# Altium PCB GiroScope.PcbDoc (part 4 of 4)
Units mm, origin at the board's own origin, x right, y up, seen from the top; angles counter-clockwise.
Board outline 185 x 124.5 mm, 2 copper layers (Top Layer, Bottom Layer); 299 components, 122 nets, 3024 pads, 61 vias.
Unrouted connection lines stored in the file: 4.
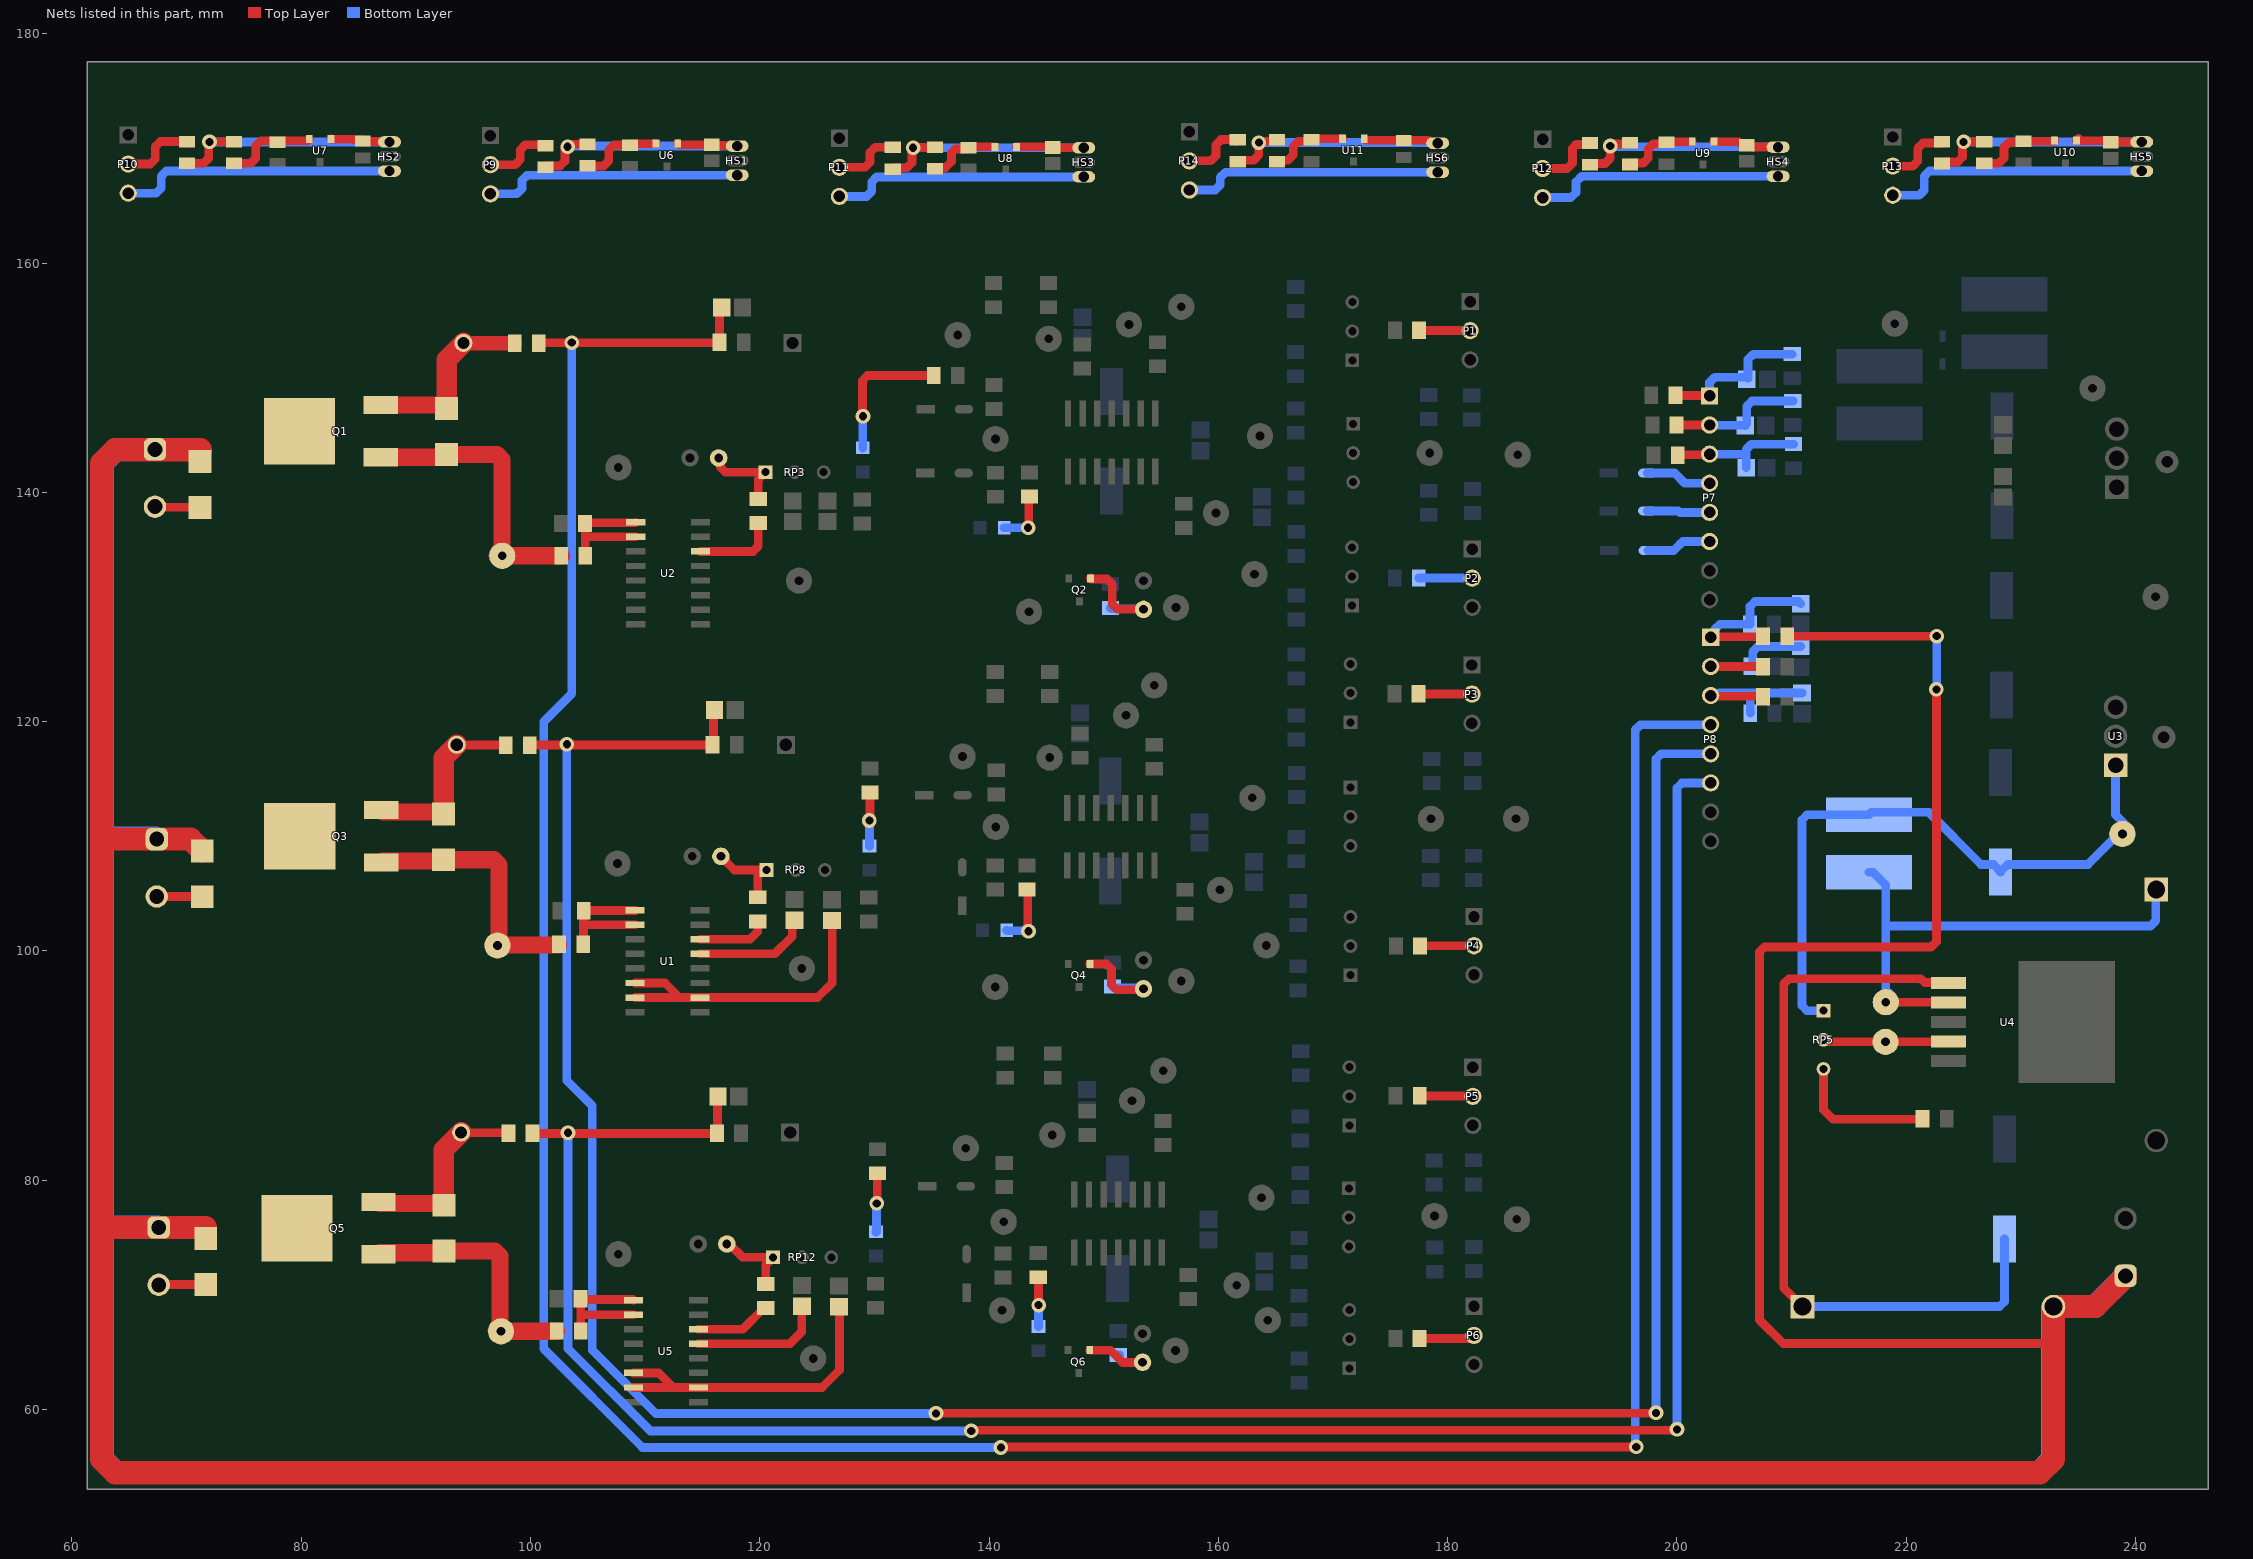
[diagram p4: the nets of this part, all layers, seen from the top]

## Via types
v1: diameter 1.27, hole 0.711, Top Layer to Bottom Layer, 61 vias

## Nets (pads, with @x,y where several pads share a name; then routed paths per layer and width w, separated by ;. In a path a pad name is that pad's centre, name@x,y a point inside that pad or via, vN(x,y) a via of type N, cw(c..) or ccw(c..) an arc to the next point about the centre after c; other vN are vias at no path point) (continued)
NetC11_1: C11.1 L3.2 RP5.1 TP4.1 U3.1 | length 56.2
  Bottom Layer w0.762: RP5.1@212.776,94.793 211.343,94.793 210.896,95.239 210.896,111.426 211.343,111.872 L3.2@216.738,111.872 216.956,112.09 221.971,112.09 226.522,107.538 227.6,107.538 228.219,106.919 C11.1@228.219,106.87 228.219,106.925 228.838,107.544 235.839,107.544 TP4.1@238.158,109.863 ; TP4.1@238.077,110.211 TP4.1@238.643,110.562 ; U3.1@238.252,116.185 238.252,111.872 239.21,110.914 TP4.1@238.75,110.455
NetC12_1: C12.1 CR2.1 U4.1 | length 66.8
  Top Layer w0.762: CR2.1@210.947,68.986 209.321,70.612 209.321,97.139 209.768,97.585 221.261,97.585 221.602,97.244 223.652,97.244 U4.1@223.69,97.206
  Bottom Layer w0.762: CR2.1@210.947,68.986 228.128,68.986 228.575,69.433 C12.1@228.575,74.879
NetC14_2: C14.2 U1.5 | length 10.2
  Top Layer w0.762: U1.5@114.789,99.746 121.323,99.746 122.836,101.259 122.836,102.479 C14.2@123.038,102.68
NetC15_1: C15.1 U1.2 U1.14 U1.15 | length 27.5
  Top Layer w0.762: U1.15@109.137,95.936 113.005,95.936 ; U1.14@109.137,97.206 111.735,97.206 113.005,95.936 ; C15.1@126.314,102.655 126.314,97.206 125.044,95.936 U1.2@114.789,95.936 113.005,95.936
NetC20_2: C20.2 U5.5 | length 11.7
  Top Layer w0.762: U5.5@114.643,65.735 122.631,65.735 123.673,66.777 C20.2@123.673,69.014
NetC21_1: C21.1 U5.2 U5.14 U5.15 | length 28.1
  Top Layer w0.762: U5.15@108.991,61.925 112.471,61.925 ; U5.14@108.991,63.195 111.201,63.195 112.471,61.925 ; C21.1@126.924,68.975 126.949,68.949 126.949,63.449 125.425,61.925 U5.2@114.643,61.925 112.471,61.925
NetC25_2: C25.2 P7.1 R80.1 R83.1 | length 13.4
  Top Layer w0.762: R80.1@199.857,148.463 199.882,148.438 202.819,148.438 P7.1@202.844,148.412
  Bottom Layer w0.762: P7.1@202.844,148.412 202.844,149.591 203.291,150.038 206.133,150.038 206.197,149.973 206.197,151.607 206.644,152.054 R83.1@210.058,152.054
NetC26_2: C26.2 P7.2 R82.1 R84.1 | length 12.1
  Top Layer w0.762: R82.1@199.958,145.872 P7.2@202.844,145.872 P7.2@202.781,145.809
  Bottom Layer w0.762: P7.2@202.844,145.872 202.87,145.847 205.92,145.847 C26.2@205.945,145.821 206.096,145.972 206.096,147.518 206.542,147.964 R84.1@210.109,147.964
NetC27_2: C27.2 P7.3 R81.1 R85.1 | length 13
  Top Layer w0.762: R81.1@200.06,143.231 200.111,143.281 202.794,143.281 P7.3@202.844,143.332
  Bottom Layer w0.762: P7.3@202.844,143.332 205.765,143.332 206.033,143.065 C27.2@206.033,142.138 206.033,142.709 206.033,143.332 206.033,143.759 206.479,144.205 R85.1@210.16,144.205
NetC28_2: C28.2 P8.3 R89.1 R92.1 | length 14.5
  Top Layer w0.762: P8.3@202.941,122.276 202.992,122.225 207.458,122.225 R89.1@207.509,122.174
  Bottom Layer w0.762: P8.3@202.941,122.276 203.082,122.417 203.604,122.417 203.678,122.491 206.451,122.491 ; R92.1@206.442,120.777 R92.1@206.391,120.726 206.391,122.43 206.451,122.491 ; C28.2@210.896,122.491 206.451,122.491
NetC29_2: C29.2 P8.2 R90.1 R93.1 | length 13.8
  Top Layer w0.762: P8.2@202.967,124.841 P8.2@202.941,124.816 202.954,124.803 207.496,124.803 R90.1@207.509,124.79
  Bottom Layer w0.762: P8.2@202.941,124.816 202.954,124.828 206.404,124.828 R93.1@206.416,124.841 206.599,125.024 206.599,126.108 207.045,126.555 C29.2@210.795,126.555
NetC30_2: C30.2 P8.1 R91.1 R94.1 | length 14.9
  Top Layer w0.762: P8.1@202.941,127.356 202.992,127.406 207.458,127.406 R91.1@207.509,127.457
  Bottom Layer w0.762: P8.1@202.941,127.356 203.302,127.716 203.302,128.052 203.748,128.499 R94.1@206.366,128.499 206.366,130.033 206.812,130.48 210.603,130.48 C30.2@210.795,130.288
NetC31_2: C31.2 HS1.1 R101.1 R104.1 U6.1 | length 25.2
  Top Layer w0.762: R101.1@101.321,168.34 101.443,168.462 102.576,168.462 103.022,168.909 103.022,169.922 103.469,170.369 R104.1@104.978,170.369 ; U6.1@112.878,170.434 112.99,170.322 C31.2@115.799,170.322 115.87,170.251 117.988,170.251 HS1.1@118.034,170.205
  Bottom Layer w0.762: v1(103.246,170.146) 103.305,170.205 HS1.1@118.034,170.205
NetC32_2: C32.2 HS2.1 R102.1 R105.1 U7.1 | length 26.6
  Top Layer w0.762: R102.1@70.053,168.696 71.486,168.696 71.933,169.142 71.933,170.485 72.027,170.579 74.124,170.579 R105.1@74.143,170.597 ; U7.1@82.626,170.814 U7.1@82.611,170.799 84.522,170.799 84.576,170.745 85.275,170.745 C32.2@85.369,170.651 85.414,170.606 87.661,170.606 HS2.1@87.706,170.561
  Bottom Layer w0.762: v1(72.009,170.561) HS2.1@87.706,170.561
NetC33_2: C33.2 HS3.1 R103.1 R106.1 U8.1 | length 26
  Top Layer w0.762: R103.1@131.597,168.188 131.72,168.31 132.832,168.31 133.278,168.756 133.278,169.956 133.406,170.084 135.249,170.084 R106.1@135.28,170.115 ; U8.1@142.403,170.139 145.381,170.139 145.454,170.066 148.247,170.066 HS3.1@148.26,170.053
  Bottom Layer w0.762: v1(133.375,170.053) HS3.1@148.26,170.053
NetC34_2: C34.2 HS4.1 R110.1 R113.1 U9.1 | length 25.4
  Top Layer w0.762: R110.1@192.405,168.569 192.527,168.691 193.737,168.691 194.183,169.137 v1(194.183,170.205) 194.32,170.205 194.489,170.374 195.57,170.374 195.692,170.496 R113.1@195.893,170.496 ; U9.1@203.233,170.586 205.36,170.586 205.504,170.442 205.807,170.14 206.63,170.14 206.64,170.129 208.788,170.129 HS4.1@208.813,170.104
  Bottom Layer w0.762: v1(194.183,170.205) 194.239,170.149 208.768,170.149 HS4.1@208.813,170.104
NetC35_2: C35.2 HS5.1 R111.1 R114.1 U10.1 | length 26.5
  Top Layer w0.762: R111.1@223.114,168.681 223.236,168.804 224.45,168.804 224.896,169.25 224.896,170.464 225.011,170.579 226.524,170.579 R114.1@226.543,170.597 ; U10.1@235.052,170.89 U10.1@234.833,170.672 237.699,170.672 237.81,170.561 HS5.1@240.538,170.561
  Bottom Layer w0.762: v1(224.993,170.561) HS5.1@240.538,170.561
NetC36_2: C36.2 HS6.1 R112.1 R115.1 U11.1 | length 26.6
  Top Layer w0.762: R112.1@161.696,168.848 161.819,168.97 163.084,168.97 163.53,169.417 v1(163.53,170.505) 163.668,170.505 163.791,170.628 164.802,170.628 164.871,170.697 R115.1@164.871,170.75 ; U11.1@172.859,170.701 C36.2@176.174,170.701 178.314,170.701 178.556,170.459 HS6.1@179.121,170.459
  Bottom Layer w0.762: v1(163.53,170.505) 179.075,170.505 HS6.1@179.121,170.459
NetC37_2: C37.2 P8.4 R86.1 R88.1 | length 275.8
  Top Layer w0.762: R86.1@100.768,153.048 116.462,153.048 R88.1@116.5,153.086 116.5,155.921 C37.2@116.688,156.108 ; v1(141.036,56.693) 141.074,56.731 196.431,56.731 v1(196.444,56.744)
  Bottom Layer w0.762: v1(103.607,153.06) 103.607,122.428 101.168,119.99 101.168,65.303 109.779,56.693 v1(141.036,56.693) ; v1(196.444,56.744) 196.367,56.82 196.367,119.289 196.814,119.736 P8.4@202.941,119.736
NetC38_2: C38.2 P8.5 R95.1 R97.1 | length 229.9
  Top Layer w0.762: R95.1@99.943,117.932 99.968,117.958 115.865,117.958 R97.1@115.891,117.983 115.973,118.065 115.973,120.949 C38.2@116.054,121.031 ; v1(135.372,59.665) 135.397,59.69 198.145,59.69 v1(198.171,59.715)
  Bottom Layer w0.762: v1(103.175,118.034) 103.175,88.697 105.385,86.487 105.385,65.202 110.922,59.665 v1(135.372,59.665) ; v1(198.171,59.715) 198.171,116.749 198.617,117.196 P8.5@202.941,117.196
NetC39_2: C39.2 P8.6 R98.1 R100.1 | length 196.9
  Top Layer w0.762: R98.1@100.187,84.099 100.212,84.074 104.572,84.074 ; 104.623,84.074 116.246,84.074 R100.1@116.272,84.099 116.315,84.143 116.315,87.256 C39.2@116.359,87.3 ; v1(138.442,58.141) 138.506,58.204 199.936,58.204 v1(200,58.268)
  Bottom Layer w0.762: v1(103.276,84.15) 103.276,65.303 110.439,58.141 v1(138.442,58.141) ; v1(200,58.268) 200,114.209 200.446,114.656 P8.6@202.941,114.656
NetCR1_1: CR1.1 L3.1 TP18.1 U4.2 | length 44.7
  Top Layer w0.762: TP18.1@218.211,95.529 218.224,95.517 218.997,95.517 223.677,95.517 U4.2@223.69,95.504
  Bottom Layer w0.762: L3.1@216.738,106.872 217.092,106.872 218.211,105.753 218.211,102.184 ; TP18.1@218.211,95.529 TP18.1@218.211,96.216 ; TP18.1@218.211,96.314 TP18.1@218.211,96.582 ; TP18.1@218.703,96.141 218.564,96.266 TP18.1@218.211,96.582 ; CR1.1@241.808,105.359 241.757,105.308 241.757,102.631 241.311,102.184 218.211,102.184 ; TP18.1@218.211,96.582 218.211,102.184
NetD1_1: D1.1 J4.2 Q1.4 | length 3.9
  Top Layer w0.762: J4.2@67.327,138.724 67.344,138.707 71.179,138.707 D1.1@71.196,138.691
NetD4_1: D4.1 R6.1 | length 12.3
  Top Layer w0.762: v1(129.007,146.634) 128.956,146.685 128.956,149.744 129.402,150.19 R6.1@135.169,150.19
  Bottom Layer w0.762: D4.1@128.981,143.874 128.994,143.887 128.994,146.621 v1(129.007,146.634)
NetD5_1: D5.1 R21.1 | length 4.9
  Top Layer w0.762: v1(143.408,136.906) 143.472,136.969 143.472,139.576 R21.1@143.535,139.64
  Bottom Layer w0.762: D5.1@141.309,136.906 v1(143.408,136.906)
NetD6_1: D6.1 J2.2 Q3.4 | length 4
  Top Layer w0.762: J2.2@67.412,104.75 67.421,104.74 71.365,104.74 D6.1@71.374,104.731
NetD8_1: D8.1 Q3.3 R95.2 R96.2 | length 16.5
  Top Layer w0.762: Q3.3@86.973,112.292 Q3.3@87.141,112.124 ; D8.1@92.237,112.124 92.376,111.935 D8.1@92.431,111.862 ; R96.2@93.574,117.983 93.599,117.958 97.815,117.958 R95.2@97.841,117.932
  Top Layer w1.5: Q3.3@87.141,112.124 D8.1@92.237,112.124
  Top Layer w1.778: D8.1@92.431,111.862 92.431,111.957 92.431,116.84 R96.2@93.574,117.983
NetD8_2: D8.2 Q3.1 R35.1 TP25.1 | length 29.8
  Top Layer w0.762: Q3.1@86.973,107.722 Q3.1@87.09,107.84 ; D8.2@92.288,107.84 D8.2@92.405,107.957 ; TP25.1@96.398,100.768 96.713,101.015 TP25.1@97.028,101.261 ; TP25.1@97.13,100.482 97.028,100.584 96.351,100.584 96.689,100.923 TP25.1@97.028,101.261 ; TP25.1@97.913,100.533 97.686,100.864 97.459,101.196 97.257,101.49 TP25.1@97.028,101.261 ; TP25.1@97.915,100.482 102.454,100.533 R35.1@102.505,100.584
  Top Layer w1.5: Q3.1@87.09,107.84 D8.2@92.288,107.84 ; D8.2@92.405,107.957 96.81,107.957 97.257,107.51 TP25.1@97.257,101.49 ; TP25.1@97.913,100.533 R35.1@102.454,100.533
NetD10_1: D10.1 R13.1 | length 4.7
  Top Layer w0.762: v1(129.565,111.379) 129.616,111.43 R13.1@129.616,113.808 R13.1@129.591,113.783
  Bottom Layer w0.762: D10.1@129.565,109.152 v1(129.565,111.379)
NetD11_1: D11.1 R48.1 | length 5.6
  Top Layer w0.762: R48.1@143.307,105.35 143.373,105.283 143.373,101.787 v1(143.44,101.721)
  Bottom Layer w0.762: D11.1@141.529,101.803 141.57,101.762 143.399,101.762 v1(143.44,101.721)
NetD12_1: D12.1 J5.2 Q5.4 | length 4.1
  Top Layer w0.762: J5.2@67.581,70.881 67.603,70.902 71.658,70.902 D12.1@71.679,70.923
NetD14_1: D14.1 Q5.3 R98.2 R99.2 | length 17
  Top Layer w0.762: Q5.3@86.744,78.104 Q5.3@86.887,77.961 ; D14.1@92.314,77.961 D14.1@92.456,77.819 D14.1@92.456,78.684 ; R99.2@93.955,84.176 93.993,84.138 98.047,84.138 R98.2@98.085,84.099
  Top Layer w1.5: Q5.3@86.887,77.961 D14.1@92.314,77.961
  Top Layer w1.778: D14.1@92.456,78.684 92.456,82.677 R99.2@93.955,84.176
NetD14_2: D14.2 Q5.1 R61.1 TP40.1 | length 26
  Top Layer w0.762: Q5.1@86.744,73.534 Q5.1@86.887,73.677 ; D14.2@92.314,73.677 D14.2@92.456,73.819 ; TP40.1@96.653,66.907 97.004,67.258 97.333,67.587 TP40.1@97.333,67.606 ; TP40.1@98.195,67.025 98.207,66.932 TP40.1@98.22,66.84 ; TP40.1@98.22,66.827 102.28,66.84 R61.1@102.292,66.853
  Top Layer w1.5: Q5.1@86.887,73.677 D14.2@92.314,73.677 ; D14.2@92.456,73.819 96.886,73.819 97.333,73.373 TP40.1@97.333,67.606 ; TP40.1@98.22,66.84 R61.1@102.28,66.84
NetD16_1: D16.1 Q1.3 R86.2 R87.2 | length 16.9
  Top Layer w0.762: R87.2@94.131,153.01 R87.2@94.158,153.035
  Top Layer w1.27: R87.2@94.131,153.01 94.132,153.01 R86.2@98.628,153.01
  Top Layer w1.5: Q1.3@86.817,147.624 Q1.3@86.952,147.624 92.374,147.624 D16.1@92.685,147.313
  Top Layer w1.778: D16.1@92.685,147.313 92.685,151.562 94.132,153.01 R87.2@94.158,153.035
NetD16_2: D16.2 Q1.1 R8.1 TP11.1 | length 30.3
  Top Layer w0.762: TP11.1@96.725,134.468 TP11.1@97.511,134.468 ; TP11.1@96.726,134.509 TP11.1@97.511,134.468 ; TP11.1@96.955,135.023 97.511,135.578 TP11.1@97.511,135.253 ; TP11.1@98.224,134.431 TP11.1@98.224,134.467 ; TP11.1@98.228,134.468 TP11.1@98.224,134.468 ; TP11.1@98.312,134.431 R8.1@102.683,134.468 ; TP11.1@97.511,134.468 TP11.1@98.224,134.468
  Top Layer w1.5: Q1.1@86.952,143.054 92.425,143.054 D16.2@92.685,143.313 97.064,143.313 97.511,142.867 TP11.1@97.511,135.578 ; TP11.1@98.317,134.468 R8.1@102.683,134.468
NetD17_1: D17.1 R17.1 | length 5.2
  Top Layer w0.762: v1(130.2,77.978) v1@130.238,78.016 ; R17.1@130.277,80.61 130.238,80.572 v1@130.238,78.016 ; v1@130.298,78.075 v1@130.238,78.016
  Bottom Layer w0.762: D17.1@130.15,75.497 130.175,75.523 130.175,77.953 v1(130.2,77.978)
NetD18_1: D18.1 R74.1 | length 4.3
  Top Layer w0.762: R74.1@144.297,71.542 144.31,71.53 144.31,69.126 v1(144.323,69.113)
  Bottom Layer w0.762: v1@144.297,69.139 v1(144.323,69.113) D18.1@144.323,67.242
NetD19_2: D19.2 P7.4 | length 6
  Top Layer w0.762: P7.4@202.717,140.665 P7.4@202.844,140.792
  Bottom Layer w0.762: D19.2@197.409,141.681 199.796,141.681 200.685,140.792 P7.4@202.844,140.792
NetD20_2: D20.2 P7.5 | length 5.6
  Top Layer w0.762: P7.5@202.794,138.201 P7.5@202.844,138.252
  Bottom Layer w0.762: D20.2@197.409,138.379 200.104,138.379 200.231,138.252 P7.5@202.844,138.252
NetD21_2: D21.2 P7.6 | length 5.7
  Bottom Layer w0.762: D21.2@197.46,134.925 199.72,134.925 200.254,135.458 200.254,135.469 200.497,135.712 P7.6@202.844,135.712
NetHS1_3: HS1.3 P9.3 | length 22.6
  Bottom Layer w0.762: P9.3@96.515,166.04 98.817,166.04 99.263,166.486 99.263,167.219 99.71,167.665 HS1.3@118.034,167.665
NetHS2_3: HS2.3 P10.3 | length 24.8
  Top Layer w0.762: HS2.3@87.142,168.021 HS2.3@87.706,168.021
  Bottom Layer w0.762: P10.3@64.922,166.091 67.346,166.091 67.793,166.537 67.793,167.575 68.239,168.021 HS2.3@87.706,168.021
NetHS3_3: HS3.3 P11.3 | length 22.5
  Bottom Layer w0.762: P11.3@126.944,165.811 129.322,165.811 129.769,166.258 129.769,167.067 130.215,167.513 HS3.3@148.26,167.513
NetHS4_3: HS4.3 P12.3 | length 21.9
  Top Layer w0.762: HS4.3@208.768,167.518 HS4.3@208.813,167.564
  Bottom Layer w0.762: P12.3@188.285,165.71 190.739,165.71 191.186,166.156 191.186,167.067 191.683,167.564 HS4.3@208.813,167.564
NetHS5_3: HS5.3 P13.3 | length 23.3
  Bottom Layer w0.762: P13.3@218.821,165.913 221.118,165.913 221.564,166.359 221.564,167.575 222.011,168.021 HS5.3@240.538,168.021
NetHS6_3: HS6.3 P14.3 | length 22.7
  Bottom Layer w0.762: P14.3@157.475,166.37 159.726,166.37 160.172,166.816 160.172,167.473 160.619,167.919 HS6.3@179.121,167.919
NetJ3_2: J3.2 Q4.1 R52.2 | length 9.2
  Top Layer w0.762: Q4.1@148.803,98.866 150.226,98.866 150.673,98.42 150.673,97.068 151.119,96.622 153.391,96.622 J3.2@153.467,96.698
  Bottom Layer w0.762: R52.2@150.774,96.901 150.876,96.799 153.365,96.799 J3.2@153.467,96.698
NetJ6_2: J6.2 Q2.1 R25.2 | length 9.9
  Top Layer w0.762: Q2.1@148.881,132.523 Q2.1@148.854,132.496 148.914,132.436 150.303,132.436 150.749,131.989 150.749,130.24 151.195,129.794 J6.2@153.467,129.794
  Bottom Layer w0.762: R25.2@150.597,129.912 150.655,129.853 153.408,129.853 J6.2@153.467,129.794 J6.2@153.261,129.794
NetJ7_2: J7.2 Q6.1 R78.2 | length 8.2
  Top Layer w0.762: Q6.1@148.778,65.186 150.587,65.186 151.663,64.11 153.376,64.11 J7.2@153.391,64.124 J7.2@153.245,64.27
  Bottom Layer w0.762: R78.2@151.257,64.761 151.408,64.761 151.217,64.57 151.703,64.084 153.351,64.084 J7.2@153.391,64.124 J7.2@153.314,64.201 ; J7.2@153.543,64.048 J7.2@153.548,64.043
NetJ8_2: J8.2 R12.2 RP3.1 | length 7.6
  Top Layer w0.762: J8.2@116.419,143.002 116.565,142.856 116.565,142.204 117.011,141.757 RP3.1@120.498,141.757 119.863,141.122 R12.2@119.863,139.421
NetJ9_2: J9.2 R39.2 RP8.1 | length 6.9
  Top Layer w0.762: J9.2@116.611,108.255 116.613,108.255 117.802,107.066 119.837,107.066 ; R39.2@119.837,104.683 119.837,107.066 ; RP8.1@120.599,107.066 119.837,107.066
NetJ10_2: J10.2 R65.2 RP12.1 | length 7.1
  Top Layer w0.762: J10.2@117.13,74.447 117.336,74.447 118.505,73.279 RP12.1@121.158,73.279 120.523,72.644 R65.2@120.523,70.961
NetP1_2: P1.2 R1.1 | length 4.5
  Top Layer w0.762: R1.1@177.505,154.127 177.517,154.114 181.948,154.114 P1.2@181.961,154.102
NetP2_2: P2.2 R15.1 | length 4.7
  Top Layer w0.762: P2.2@182.131,132.524 P2.2@182.143,132.512
  Bottom Layer w0.762: R15.1@177.492,132.524 P2.2@182.131,132.524
NetP3_2: P3.2 R28.1 | length 4.7
  Top Layer w0.762: R28.1@177.454,122.428 177.467,122.415 182.105,122.415 P3.2@182.118,122.403
NetP4_2: P4.2 R42.1 | length 4.7
  Top Layer w0.762: R42.1@177.59,100.432 177.603,100.444 182.283,100.444 P4.2@182.296,100.457
NetP5_2: P5.2 R55.1 | length 4.7
  Top Layer w0.762: R55.1@177.565,87.376 177.59,87.351 182.169,87.351 P5.2@182.194,87.325
NetP6_2: P6.2 R68.1 | length 4.9
  Top Layer w0.762: R68.1@177.555,66.192 181.817,66.192 182.096,66.472 P6.2@182.296,66.472
NetP9_2: P9.2 R101.2 | length 6
  Top Layer w0.762: P9.2@96.515,168.58 98.669,168.58 99.115,169.026 99.115,169.861 99.562,170.307 101.255,170.307 R101.2@101.321,170.242
NetP10_2: P10.2 R102.2 | length 6.6
  Top Layer w0.762: P10.2@64.922,168.631 66.838,168.631 67.285,169.077 67.285,170.151 67.731,170.597 R102.2@70.053,170.597
NetP11_2: P11.2 R103.2 | length 5.9
  Top Layer w0.762: P11.2@126.944,168.351 129.173,168.351 129.619,168.798 129.619,169.643 130.066,170.089 R103.2@131.597,170.089
NetP12_2: P12.2 R110.2 | length 6.1
  Top Layer w0.762: P12.2@188.285,168.25 190.439,168.25 190.885,168.696 190.885,170.013 191.221,170.348 192.494,170.348 R110.2@192.616,170.47 ; R110.2@192.38,170.496 R110.2@192.405,170.47
NetP13_2: P13.2 R111.2 | length 5.8
  Top Layer w0.762: P13.2@218.821,168.453 220.559,168.453 221.005,168.899 221.005,170.014 221.452,170.461 222.991,170.461 R111.2@223.114,170.583
NetP14_2: P14.2 R112.2 | length 5.7
  Top Layer w0.762: P14.2@157.475,168.91 159.345,168.91 159.791,169.356 159.791,170.318 160.238,170.764 161.682,170.764 R112.2@161.696,170.75 R112.2@161.574,170.628
NetR8_2: R8.2 R18.2 U2.9 U2.10 | length 11.7
  Top Layer w0.762: R8.2@104.784,134.468 104.772,134.48 104.772,136.093 ; U2.10@109.188,136.119 104.797,136.119 104.772,136.093 ; U2.9@109.188,137.389 109.137,137.338 104.81,137.338 R18.2@104.759,137.287 104.772,137.274 104.772,136.093
NetR12_1: R12.1 U2.6 | length 7.2
  Top Layer w0.762: U2.6@114.84,134.849 119.416,134.849 119.863,135.295 R12.1@119.863,137.319
NetR33_2: R33.2 RP5.3 | length 12.6
  Top Layer w0.762: RP5.3@212.776,89.713 212.776,86.157 213.614,85.319 221.377,85.319 R33.2@221.428,85.369
NetR35_2: R35.2 R45.2 U1.9 U1.10 | length 12
  Top Layer w0.762: R35.2@104.607,100.584 104.627,100.605 104.627,102.26 ; U1.10@109.137,102.286 104.653,102.286 104.627,102.26 ; U1.9@109.137,103.556 109.112,103.53 104.673,103.53 R45.2@104.648,103.505 104.627,103.484 104.627,102.26
NetR39_1: R39.1 U1.6 | length 6.2
  Top Layer w0.762: U1.6@114.789,101.016 119.151,101.016 119.837,101.702 R39.1@119.837,102.581
NetR61_2: R61.2 R71.2 U5.9 U5.10 | length 12.1
  Top Layer w0.762: R71.2@104.369,69.672 R71.2@104.381,69.659 ; R61.2@104.394,66.853 104.381,66.865 104.381,68.263 ; U5.10@108.991,68.275 104.394,68.275 104.381,68.263 ; U5.9@108.991,69.545 108.928,69.609 104.432,69.609 R71.2@104.381,69.659 ; 104.381,68.263 R71.2@104.381,69.659
NetR65_1: R65.1 U5.6 | length 6.6
  Top Layer w0.762: U5.6@114.643,67.005 118.518,67.005 120.372,68.859 R65.1@120.523,68.859
NetR104_2: R104.2 R107.1 U6.2 | length 7.3
  Top Layer w0.762: R104.2@104.978,168.467 106.386,168.467 106.832,168.914 106.832,169.846 107.279,170.293 R107.1@108.687,170.293 108.803,170.409 U6.2@110.952,170.409
NetR105_2: R105.2 R108.1 U7.2 | length 8.1
  Top Layer w0.762: R105.2@74.143,168.696 75.601,168.696 76.048,169.142 76.048,170.223 76.494,170.669 80.581,170.669 U7.2@80.711,170.799
NetR106_2: R106.2 R109.1 U8.2 | length 6.8
  Top Layer w0.762: R106.2@134.925,168.213 135.047,168.335 136.204,168.335 136.728,168.859 136.728,169.618 137.052,169.942 138.079,169.942 R109.1@138.201,170.064 138.276,170.139 U8.2@140.503,170.139
NetR113_2: R113.2 R116.1 U9.2 | length 6.7
  Top Layer w0.762: R113.2@195.893,168.594 196.015,168.716 197.047,168.716 197.493,169.163 197.493,169.953 197.939,170.399 198.971,170.399 R116.1@199.093,170.521 199.158,170.586 U9.2@201.333,170.586
NetR114_2: R114.2 R117.1 U10.2 | length 7.8
  Top Layer w0.762: R114.2@226.543,168.696 228.077,168.696 228.524,169.142 228.524,170.089 228.97,170.536 230.138,170.536 R117.1@230.226,170.623 232.884,170.623 U10.2@232.933,170.672
NetR115_2: R115.2 R118.1 U11.2 | length 7.2
  Top Layer w0.762: R115.2@164.871,168.848 164.994,168.97 166.076,168.97 166.522,169.417 166.522,170.165 166.985,170.628 168,170.628 168.213,170.84 U11.2@170.82,170.84
NetRP5_2: RP5.2 TP19.1 U4.4 | length 20.8
  Top Layer w0.762: RP5.2@212.776,92.253 212.894,92.253 RP5.2@213.072,92.075 ; TP19.1@218.186,92.075 217.805,92.075 217.4,92.075 RP5.2@213.072,92.075 ; TP19.1@218.972,92.075 U4.4@223.677,92.088 ; U4.4@223.69,92.1 U4.4@223.677,92.088 ; RP5.2@213.072,92.075 217.401,92.084 218.186,92.086 218.971,92.088 U4.4@223.677,92.088
VCC: CR2.2 D1.2 D6.2 D12.2 J1.1 J2.1 J4.1 J5.1 R91.2 | length 716.7
  Top Layer w0.762: 62.154,109.383 62.6,109.83 ; 62.6,132.969 62.676,133.045 ; D1.2@71.196,142.691 71.196,143.724 ; D12.2@71.679,74.923 D12.2@71.679,75.882 ; R91.2@209.61,127.457 v1(222.656,127.457) ; v1(222.631,122.809) 222.631,100.802 222.185,100.355 207.634,100.355 207.188,99.909 207.188,67.843 209.271,65.761 232.842,65.761
  Top Layer w2: 62.6,109.75 J2.1@67.412,109.75 70.355,109.75 D6.2@71.374,108.731 ; J5.1@67.582,75.882 D12.2@71.679,75.882 ; CR2.2@232.842,68.986 236.485,68.986 239.124,71.625 J1.1@239.124,71.668
  Top Layer w2.032: J5.1@67.581,75.881 62.6,75.881 ; 71.196,143.724 67.327,143.724 63.79,143.724 62.6,142.534 62.6,132.969 62.6,109.83 62.6,109.75 62.6,75.881 ; CR2.2@232.842,68.986 232.842,65.761 232.842,55.673 231.651,54.483 63.79,54.483 62.6,55.673 62.6,75.881
  Bottom Layer w0.762: J2.1@67.306,109.855 J2.1@67.412,109.75 ; J5.1@67.516,75.946 J5.1@67.581,75.881 ; v1(222.631,122.809) 222.656,122.834 v1(222.656,127.457) ; J1.1@239.133,71.668 J1.1@239.141,71.679
  Bottom Layer w2: J2.1@67.306,109.855 62.956,109.855 62.662,110.149 ; J4.1@67.327,143.724 63.833,143.724 62.662,142.553 62.662,110.149 ; J5.1@67.516,75.946 62.956,75.946 62.662,76.24 ; CR2.2@232.74,68.885 232.74,55.68 231.569,54.508 63.833,54.508 62.662,55.68 62.662,76.24 ; CR2.2@232.842,68.986 236.449,68.986 J1.1@239.141,71.679 ; 62.662,76.24 62.662,110.149
pads on no net: U1.3 U2.3 U5.3

## Polygon pours and split planes (outlines as drawn)
GND on Top Layer "GND_L01_P017" (solid, pour order 17): 61.341,177.317 61.341,53.162 61.366,53.188 246.341,53.188 246.341,177.317
NetD12_1 on Top Layer "NETD12_1_L01_P008" (solid, remove dead copper, pour order 8): 84.289,80.662 84.289,92.676 65.735,92.676 65.735,80.586 75.247,80.586 75.247,72.153 66.204,72.153 66.179,72.127 66.179,65.151 84.346,65.151
NetD6_1 on Top Layer "NETD6_1_L01_P003" (solid, remove dead copper, pour order 3): 84.188,114.749 84.188,126.763 65.634,126.763 65.634,114.672 75.145,114.672 75.145,106.24 66.103,106.24 66.077,106.214 66.077,97.375 84.252,97.375
NetD1_1 on Top Layer "NETD1_1_L01_P000" (solid, remove dead copper, pour order 0): 83.871,148.234 83.871,160.249 72.161,160.249 72.161,148.158 74.828,148.158 74.828,139.725 65.786,139.725 65.761,139.7 65.761,130.861 83.935,130.861
GND on Bottom Layer "GND_L02_P016" (solid, pour order 16): 61.341,177.317 61.341,53.213 245.186,53.213 246.341,52.058 246.341,177.317
NetD12_1 on Bottom Layer "NETD12_1_L02_P009" (solid, remove dead copper, pour order 9): 84.086,80.814 84.086,92.828 65.532,92.828 65.532,80.738 75.044,80.738 75.044,72.305 66.001,72.305 65.976,72.28 65.976,65.151 84.144,65.151
NetD6_1 on Bottom Layer "NETD6_1_L02_P007" (solid, remove dead copper, pour order 7): 83.984,114.901 83.984,126.915 65.43,126.915 65.43,114.825 74.942,114.825 74.942,106.392 65.9,106.392 65.874,106.367 65.874,97.527 84.048,97.527
NetD1_1 on Bottom Layer "NETD1_1_L02_P002" (solid, remove dead copper, pour order 2): 83.998,148.311 83.998,160.325 72.161,160.325 72.161,148.234 74.955,148.234 74.955,139.802 65.913,139.802 65.888,139.776 65.888,130.861 84.062,130.861
no net on Top Solder "NONET_L-01_P-001" (none): 88.824,174.32 cw(c88.824,174.346) 88.798,174.346 cw(c88.824,174.346) 88.824,174.371 cw(c88.824,174.346) 88.849,174.346 cw(c88.824,174.346)

## Silkscreen, mask and mechanical layers (free items; w line width, h text height)
Top Solder:
  circle w4.5: c136.804,164.821 r0.025
  circle w4.5: c197.612,173.736 r0.025
  circle w4.5: c76.086,165.18 r0.025
  circle w4.5: c76.175,173.793 r0.025
  circle w4.5: c197.688,164.871 r0.025
  circle w4: c68.402,60.452 r2.048
  circle w4: c239.42,59.309 r2.048
  circle w4: c240.436,155.905 r2.048
  circle w4.5: c228.778,165.329 r0.025
  circle w4.5: c228.671,173.851 r0.025
  circle w4.5: c166.891,165.154 r0.025
  circle w4.5: c166.891,174.019 r0.025
  circle w4.5: c136.982,173.38 r0.025
  circle w4.5: c106.954,173.496 r0.025
  circle w4.5: c106.782,164.922 r0.025
  circle w4: c66.65,156.007 r2.048
  rectangle: 74.879,130.857 83.998,160.194
  rectangle: 75.159,65.151 84.404,92.837
  rectangle: 75.26,97.307 83.984,126.915
  rectangle: 73.203,113.919 73.279,113.995
Bottom Solder:
  circle w4.5: c136.804,164.821 r0.025
  circle w4.5: c76.111,165.18 r0.025
  circle w4.5: c76.175,173.793 r0.025
  circle w4.5: c197.714,164.871 r0.025
  circle w4.5: c228.778,165.329 r0.025
  circle w4.5: c228.696,173.851 r0.025
  circle w4.5: c197.612,173.736 r0.025
  circle w4.5: c166.916,165.154 r0.025
  circle w4.5: c166.916,174.019 r0.025
  circle w4.5: c137.008,173.38 r0.025
  circle w4.5: c106.807,164.922 r0.025
  circle w4.5: c106.979,173.496 r0.025
  circle w4: c68.402,60.452 r2
  circle w4: c66.624,155.931 r2
  circle w4: c240.436,155.905 r2
  circle w4: c239.42,59.309 r2
  rectangle: 75.159,65.151 84.404,92.888
  rectangle: 75.006,97.375 84.252,126.746
  rectangle: 74.93,130.912 83.998,160.194
Mechanical 1:
  circle w0.254: c76.086,165.18 r1
  circle w0.254: c76.199,173.823 r1
  circle w0.254: c197.714,164.871 r1
  circle w0.254: c228.829,165.329 r1
  circle w0.254: c228.702,173.838 r1
  circle w0.254: c197.643,173.722 r1
  circle w0.254: c166.916,165.154 r1
  circle w0.254: c166.922,174.005 r1
  circle w0.254: c136.804,164.821 r1
  circle w0.254: c137.013,173.367 r1
  circle w0.254: c106.807,164.897 r1
  circle w0.254: c106.985,173.482 r1
  circle w0.254: c240.36,155.931 r2.54
  circle w0.254: c239.42,59.207 r2.54
  circle w0.254: c79.624,85.065 r1.092
  circle w0.254: c79.683,67.02 r1.092
  circle w0.254: c79.684,101.063 r1.092
  circle w0.254: c79.629,119.101 r1.092
  circle w0.254: c66.599,156.007 r2.54
  circle w0.254: c68.478,60.503 r2.54
  circle w0.254: c79.414,136.327 r1.092
  circle w0.254: c79.342,154.584 r1.092
  pour cut-out: 211.854,163.957 211.854,176.606 cw(c212.954,176.62) 214.054,176.62 214.054,163.957 cw(c212.954,163.957)
  pour cut-out: 78.531,85.065 ccw(c79.624,85.065) 79.624,83.972 ccw(c79.624,85.065) 80.716,85.065 ccw(c79.624,85.065) 79.624,86.157 ccw(c79.624,85.065)
  pour cut-out: 78.59,67.02 ccw(c79.683,67.02) 79.683,65.927 ccw(c79.683,67.02) 80.775,67.02 ccw(c79.683,67.02) 79.683,68.112 ccw(c79.683,67.02)
  pour cut-out: 78.591,101.063 ccw(c79.684,101.063) 79.684,99.971 ccw(c79.684,101.063) 80.776,101.063 ccw(c79.684,101.063) 79.684,102.156 ccw(c79.684,101.063)
  pour cut-out: 78.537,119.101 ccw(c79.629,119.101) 79.629,118.008 ccw(c79.629,119.101) 80.721,119.101 ccw(c79.629,119.101) 79.629,120.193 ccw(c79.629,119.101)
  pour cut-out: 78.221,154.578 ccw(c79.314,154.578) 79.314,153.486 ccw(c79.314,154.578) 80.406,154.578 ccw(c79.314,154.578) 79.314,155.671 ccw(c79.314,154.578)
  lines w0.013: 65.757,162.728 ccw(c65.757,161.628) 65.771,160.528 240.757,160.528 ccw(c240.757,161.628) 240.757,162.728 65.757,162.728 ; 90.264,164.033 ccw(c91.364,164.033) 92.464,164.033 92.464,176.696 ccw(c91.364,176.696) 90.264,176.682 90.264,164.033 ; 120.388,164.033 ccw(c121.488,164.033) 122.588,164.033 122.588,176.696 ccw(c121.488,176.696) 120.388,176.682 120.388,164.033 ; 150.944,163.982 ccw(c152.044,163.982) 153.144,163.983 153.144,176.645 ccw(c152.044,176.645) 150.944,176.631 150.944,163.982 ; 181.78,163.957 ccw(c182.88,163.957) 183.98,163.957 183.98,176.62 ccw(c182.88,176.62) 181.78,176.606 181.78,163.957 ; 211.854,163.957 ccw(c212.954,163.957) 214.054,163.957 214.054,176.62 ccw(c212.954,176.62) 211.854,176.606 211.854,163.957
  lines w0.5: 61.341,53.061 246.341,53.061 246.341,177.561 61.341,177.561 61.341,53.061
Top Courtyard:
  drawing of 216 lines, arcs and shapes, not listed
  text "J4" at 67.463,142.588 h0.76 r90
  text "J2" at 67.547,108.613 h0.76 r90
  text "J1" at 238.756,79.563 h0.76 r270
  text "J5" at 67.717,74.744 h0.76 r90
Top 3D Body:
  drawing of 1068 lines, arcs and shapes, not listed
  text "R88" at 117.665,153.211 h0.76
  text "R86" at 99.565,152.884 h0.76 r180
  text "Q1" at 83.541,145.453 h0.76 r90
  text "D16" at 92.799,145.199 h0.76 r270
  text "C2" at 228.548,144.883 h0.76 r270
  text "D4" at 128.907,142.71 h0.76 r270
  text "RP3" at 122.975,141.638 h0.76 r270
  text "D1" at 71.082,140.805 h0.76 r90
  text "C3" at 228.297,140.602 h0.76 r90
  text "R12" at 119.748,138.484 h0.76 r90
  text "C5" at 125.782,138.468 h0.76 r90
  text "R11" at 128.816,138.443 h0.76 r90
  text "C4" at 123.011,138.24 h0.76 r270
  text "R13" at 132.104,138.214 h0.76 r270
  text "R18" at 103.822,137.412 h0.76
  text "R8" at 103.848,134.593 h0.76
  text "R97" at 117.056,118.108 h0.76
  text "R95" at 98.777,117.807 h0.76 r180
  text "Q3" at 82.652,110.122 h0.76 r90
  text "D8" at 92.519,109.842 h0.76 r270
  text "D10" at 129.503,107.988 h0.76 r270
  text "RP8" at 123.076,106.947 h0.76 r270
  text "D6" at 71.26,106.845 h0.76 r90
  text "R39" at 119.712,103.746 h0.76 r90
  text "R38" at 129.389,103.721 h0.76 r90
  text "C15" at 126.189,103.67 h0.76 r90
  text "R45" at 103.711,103.63 h0.76
  text "R40" at 132.663,103.518 h0.76 r270
  text "C14" at 123.163,103.467 h0.76 r270
  text "R35" at 103.67,100.709 h0.76
  text "U4" at 230.289,93.688 h0.76 r270
  text "RP5" at 212.657,92.316 h0.76 r180
  text "R33" at 222.364,85.244 h0.76 r180
  text "R100" at 117.437,84.225 h0.76
  text "R98" at 99.022,83.974 h0.76 r180
  text "Q5" at 82.423,75.933 h0.76 r90
  text "D14" at 92.57,75.705 h0.76 r270
  text "D17" at 130.076,74.333 h0.76 r270
  text "RP12" at 123.624,73.16 h0.76 r270
  text "D12" at 71.564,73.038 h0.76 r90
  text "R65" at 120.398,70.025 h0.76 r90
  text "R64" at 129.973,70.04 h0.76 r90
  text "C21" at 126.798,69.99 h0.76 r90
  text "C20" at 123.798,69.8 h0.76 r270
  text "R71" at 103.432,69.786 h0.76
  text "R61" at 103.457,66.978 h0.76
Bottom 3D Body:
  drawing of 335 lines, arcs and shapes, not listed
  text "*" at 113.83,129.087 h0.76 r180
  text "*" at 113.779,95.254 h0.76 r180
  text "*" at 113.633,61.244 h0.76 r180
Top Assembly:
  lines w0.013: 107.652,68.085 107.652,68.466 107.906,68.466 107.906,68.085 107.652,68.085 ; 107.798,102.095 107.798,102.476 108.052,102.476 108.052,102.095 107.798,102.095 ; 107.848,135.928 107.848,136.309 108.102,136.309 108.102,135.928 107.848,135.928
  lines w0.152: 109.696,59.969 113.938,59.969 ; 109.696,70.231 113.938,70.231 ; 109.842,93.98 114.084,93.98 ; 109.842,104.242 114.084,104.242 ; 109.893,127.813 114.135,127.813 ; 109.893,138.074 114.135,138.074
  lines w0.2: 69.736,138.406 69.736,142.976 ; 69.816,140.191 72.576,140.191 ; 69.914,104.446 69.914,109.016 ; 69.994,106.231 72.754,106.231 ; 70.219,70.638 70.219,75.208 ; 70.299,72.423 73.059,72.423 ; 72.656,138.406 72.656,142.976 ; 72.834,104.446 72.834,109.016 ; 73.139,70.638 73.139,75.208 ; 78.509,72.544 78.509,72.454 84.729,72.454 84.729,79.184 78.509,79.184 78.509,79.094 ; 78.738,106.732 78.738,106.642 84.958,106.642 84.958,113.372 78.738,113.372 78.738,113.282 ; 79.627,142.064 79.627,141.974 85.847,141.974 85.847,148.704 79.627,148.704 79.627,148.614 ; 90.945,107.672 90.945,112.242 ; 90.996,73.534 90.996,78.104 ; 91.025,110.457 93.785,110.457 ; 91.076,76.319 93.836,76.319 ; 91.225,143.028 91.225,147.598 ; 91.305,145.813 94.065,145.813 ; 93.865,107.672 93.865,112.242 ; 93.916,73.534 93.916,78.104 ; 94.145,143.028 94.145,147.598 ; 98.819,117.307 98.964,117.307 ; 98.819,118.557 98.964,118.557 ; 99.064,83.474 99.209,83.474 ; 99.064,84.724 99.209,84.724 ; 99.606,152.385 99.752,152.385 ; 99.606,153.635 99.752,153.635 ; 103.245,69.047 103.39,69.047 ; 103.245,70.297 103.39,70.297 ; 103.271,66.228 103.416,66.228 ; 103.271,67.478 103.416,67.478 ; 103.483,99.959 103.628,99.959 ; 103.483,101.209 103.628,101.209 ; 103.525,102.88 103.67,102.88 ; 103.525,104.13 103.67,104.13 ; 103.636,136.662 103.781,136.662 ; 103.636,137.912 103.781,137.912 ; 103.661,133.843 103.806,133.843 ; 103.661,135.093 103.806,135.093 ; 116.869,117.358 117.014,117.358 ; 116.869,118.608 117.014,118.608 ; 117.25,83.474 117.395,83.474 ; 117.25,84.724 117.395,84.724 ; 117.479,152.461 117.624,152.461 ; 117.479,153.711 117.624,153.711 ; 119.212,103.559 119.212,103.705 ; 119.238,138.297 119.238,138.442 ; 119.898,69.838 119.898,69.983 ; 120.462,103.559 120.462,103.705 ; 120.488,138.297 120.488,138.442 ; 121.148,69.838 121.148,69.983 ; 121.707,136.701 121.707,140.007 ; 121.859,101.928 121.859,105.234 ; 122.494,68.261 122.494,71.567 ; 124.063,136.701 124.063,140.007 ; 124.216,101.928 124.216,105.234 ; 124.73,136.701 124.73,140.007 ; 124.851,68.261 124.851,71.567 ; 125.136,101.903 125.136,105.209 ; 125.746,68.222 125.746,71.528 ; 127.086,136.701 127.086,140.007 ; 127.492,101.903 127.492,105.209 ; 128.102,68.222 128.102,71.528 ; 128.305,138.256 128.305,138.401 ; 128.306,142.699 128.306,142.949 ; 128.89,103.534 128.89,103.679 ; 128.89,107.977 128.89,108.227 ; 129.474,69.854 129.474,69.999 ; 129.475,74.322 129.475,74.572 ; 129.555,138.256 129.555,138.401 ; 129.656,142.699 129.656,142.949 ; 130.14,103.534 130.14,103.679 ; 130.24,107.977 130.24,108.227 ; 130.724,69.854 130.724,69.999 ; 130.825,74.322 130.825,74.572 ; 131.353,138.256 131.353,138.401 ; 131.912,103.559 131.912,103.705 ; 132.603,138.256 132.603,138.401 ; 133.162,103.559 133.162,103.705 ; 222.406,84.744 222.551,84.744 ; 222.406,85.994 222.551,85.994 ; 227.244,138.834 227.244,142.14 ; 227.244,143.344 227.244,146.65 ; 229.43,88.684 226.734,88.684 226.734,98.92 229.43,98.92 ; 229.6,138.834 229.6,142.14 ; 229.6,143.344 229.6,146.65
  lines w0.254: 112.649,141.732 112.649,144.272 117.729,144.272 117.729,141.732 112.649,141.732 ; 112.841,106.985 112.841,109.525 117.921,109.525 117.921,106.985 112.841,106.985 ; 113.36,73.177 113.36,75.717 118.44,75.717 118.44,73.177 113.36,73.177
  text "R88" at 115.659,155.308 h0.76
  text "R86" at 97.803,155.232 h0.76
  text "Q1" at 86.233,149.936 h0.76
  text "D16" at 91.402,149.39 h0.76
  text "C2" at 227.419,148.12 h0.76
  text "TP1" at 235.979,147.892 h0.76
  text "D1" at 71.59,144.996 h0.76 r90
  text "D4" at 130.696,144.318 h0.76 r270
  text "TP2" at 106.87,144.208 h0.76
  text "C3" at 227.419,143.624 h0.76
  text "TP2" at 105.296,143.472 h0.76
  text "R12" at 118.758,141.364 h0.76
  text "C5" at 124.777,141.364 h0.76
  text "R11" at 127.825,141.338 h0.76
  text "R13" at 133.744,140.335 h0.76 r270
  text "C4" at 125.159,139.611 h0.76 r270
  text "R8" at 101.841,136.69 h0.76
  text "TP12" at 121.369,135.154 h0.76
  text "R18" at 103.454,134.963 h0.76 r180
  text "*" at 115.297,127.868 h0.76 r180
  text "U2" at 113.855,125.59 h0.76 r180
  text "R97" at 115.049,120.206 h0.76
  text "R95" at 97.015,120.155 h0.76
  text "Q3" at 76.949,114.44 h0.76
  text "D8" at 91.123,114.033 h0.76
  text "TP4" at 238.061,112.255 h0.76
  text "D10" at 129.07,111.366 h0.76
  text "D6" at 70.091,110.807 h0.76
  text "TP26" at 106.794,109.664 h0.76
  text "R39" at 118.859,106.769 h0.76
  text "R40" at 131.559,106.769 h0.76
  text "C14" at 122.034,106.718 h0.76
  text "R38" at 128.537,106.743 h0.76
  text "C15" at 125.311,106.693 h0.76
  text "R45" at 101.714,105.727 h0.76
  text "R35" at 101.663,102.806 h0.76
  text "TP25" at 96.329,102.527 h0.76
  text "TP24" at 122.872,100.52 h0.76
  text "U4" at 221.704,100.216 h0.76
  text "TP18" at 217.411,97.574 h0.76
  text "TP19" at 217.386,94.12 h0.76
  text "*" at 115.246,94.035 h0.76 r180
  text "U1" at 109.918,92.672 h0.76 r180
  text "R33" at 220.586,87.592 h0.76
  text "R98" at 97.244,86.322 h0.76
  text "R100" at 115.43,86.322 h0.76
  text "Q5" at 76.721,80.251 h0.76
  text "D14" at 91.173,79.896 h0.76
  text "D17" at 129.654,77.711 h0.76
  text "D12" at 70.396,77 h0.76
  text "TP41" at 106.87,75.603 h0.76
  text "R65" at 119.545,73.038 h0.76
  text "C20" at 122.669,73.038 h0.76
  text "R64" at 129.121,73.063 h0.76
  text "C21" at 125.92,73.012 h0.76
  text "R71" at 101.435,71.895 h0.76
  text "U5" at 107.632,71.869 h0.76
  text "R61" at 101.46,69.075 h0.76
  text "TP40" at 96.634,68.872 h0.76
  text "TP39" at 123.863,66.561 h0.76
  text "*" at 115.1,60.024 h0.76 r180
Bottom Assembly:
  drawing of 425 lines, arcs and shapes, not listed
Mechanical 8:
  drawing of 323 lines, arcs and shapes, not listed
Mechanical 9:
  region: 227.346,140.016 229.346,140.016 229.346,135.916 227.346,135.916
  region: 227.346,148.716 229.346,148.716 229.346,144.616 227.346,144.616
  region: 229.295,128.97 227.295,128.97 227.295,133.07 229.295,133.07
  region: 229.295,124.37 229.295,120.27 227.295,120.27 227.295,124.37
  region: 227.219,108.92 229.219,108.92 229.219,104.82 227.219,104.82
  region: 227.219,117.62 229.219,117.62 229.219,113.52 227.219,113.52
  region: 227.498,80.162 229.498,80.162 229.498,76.062 227.498,76.062
  lines w0.013: 89.611,109.855 126.238,109.855 126.238,126.111 89.611,126.111 89.611,109.855 ; 89.992,76.048 126.619,76.048 126.619,92.304 89.992,92.304 89.992,76.048 ; 90.195,144.907 126.822,144.907 126.822,161.163 90.195,161.163 90.195,144.907 ; 238.773,82.055 238.773,106.769 244.843,106.769 244.843,82.055 238.773,82.055
Mechanical 10:
  drawing of 420 lines, arcs and shapes, not listed
Mechanical 11:
  drawing of 60 lines, arcs and shapes, not listed
Mechanical 12:
  circle w0.013: c67.412,109.75 r0.65
  circle w0.013: c67.412,104.75 r0.65
  circle w0.013: c67.327,143.724 r0.65
  circle w0.013: c67.327,138.724 r0.65
  circle w0.013: c67.581,75.881 r0.65
  circle w0.013: c67.581,70.881 r0.65
  circle w0.013: c120.498,141.757 r0.35
  circle w0.013: c123.038,141.757 r0.35
  circle w0.013: c125.578,141.757 r0.35
  circle w0.013: c212.776,94.793 r0.35
  circle w0.013: c212.776,92.253 r0.35
  circle w0.013: c212.776,89.713 r0.35
  circle w0.013: c125.679,107.066 r0.35
  circle w0.013: c123.139,107.066 r0.35
  circle w0.013: c120.599,107.066 r0.35
  circle w0.013: c121.158,73.279 r0.35
  circle w0.013: c123.698,73.279 r0.35
  circle w0.013: c126.238,73.279 r0.35
  circle w0.013: c107.671,142.164 r0.381
  circle w0.013: c238.862,110.211 r0.381
  circle w0.013: c241.783,130.861 r0.381
  circle w0.013: c97.511,134.468 r0.381
  circle w0.013: c123.426,132.296 r0.381
  circle w0.013: c218.211,95.529 r0.381
  circle w0.013: c218.186,92.075 r0.381
  circle w0.013: c123.673,98.476 r0.381
  circle w0.013: c97.13,100.482 r0.381
  circle w0.013: c107.594,107.62 r0.381
  circle w0.013: c241.808,105.359 r0.775
  circle w0.013: c241.808,83.464 r0.775
  circle w0.013: c124.663,64.516 r0.381
  circle w0.013: c97.434,66.827 r0.381
  circle w0.013: c107.671,73.558 r0.381
  circle w0.013: c93.574,117.983 r0.533
  circle w0.013: c122.276,117.983 r0.533
  circle w0.013: c93.955,84.176 r0.533
  circle w0.013: c122.657,84.176 r0.533
  circle w0.013: c94.158,153.035 r0.533
  circle w0.013: c122.86,153.035 r0.533
  circle w0.013: c116.419,143.002 r0.381
  circle w0.013: c113.919,143.002 r0.381
  circle w0.013: c116.611,108.255 r0.381
  circle w0.013: c114.111,108.255 r0.381
  circle w0.013: c117.13,74.447 r0.381
  circle w0.013: c114.63,74.447 r0.381
  circle w0.013: c239.141,76.679 r0.65
Mechanical 13:
  circle w0.013: c124.663,64.516 r0.356
  circle w0.013: c97.434,66.827 r0.356
  circle w0.013: c107.671,73.558 r0.356
  circle w0.013: c129.591,98.501 r0.356
  circle w0.013: c128.956,132.385 r0.356
  circle w0.013: c130.099,64.364 r0.356
Mechanical 14:
  lines w0.152: 241.173,108.941 242.443,108.941 ; 241.3,108.179 241.808,108.941 ; 241.427,108.179 241.808,108.941 ; 241.554,108.179 241.808,108.941 ; 241.681,108.179 241.808,108.941 ; 241.808,107.925 241.808,109.195 ; 241.935,108.179 241.808,108.941 ; 242.062,108.179 241.808,108.941 ; 242.189,108.179 241.808,108.941 ; 242.316,108.179 241.808,108.941 ; 241.808,108.941 241.173,108.179 242.443,108.179 241.808,108.941 ; 96.749,112.903 96.749,123.063 119.101,123.063 119.101,112.903 96.749,112.903 ; 97.13,79.096 97.13,89.256 119.482,89.256 119.482,79.096 97.13,79.096 ; 97.333,147.955 97.333,158.115 119.685,158.115 119.685,147.955 97.333,147.955 ; 239.027,89.535 244.589,89.535 244.589,99.289 239.027,99.289 239.027,89.535
  lines w0.2: 64.062,102.249 71.412,102.249 71.412,112.249 69.262,112.249 69.512,112.849 68.312,112.849 68.561,112.249 62.412,112.249 62.412,102.249 63.362,102.249 63.112,101.649 64.312,101.649 64.062,102.249 ; 69.177,146.224 71.327,146.224 71.327,136.224 63.977,136.224 64.228,135.624 63.028,135.624 63.277,136.224 62.327,136.224 62.327,146.224 68.477,146.224 68.227,146.824 69.427,146.824 69.178,146.224 ; 69.431,78.381 71.581,78.381 71.581,68.381 64.231,68.381 64.482,67.781 63.282,67.781 63.531,68.381 62.581,68.381 62.581,78.381 68.731,78.381 68.481,78.981 69.681,78.981 69.432,78.381 ; 223.348,78.912 223.348,70.012 225.923,68.612 ; 226.219,106.07 225.644,106.07 223.069,107.47 223.069,116.37 226.219,116.37 ; 226.295,121.52 223.145,121.52 223.145,130.42 225.72,131.82 226.295,131.82 ; 226.346,137.166 225.771,137.166 223.196,138.566 223.196,147.466 226.346,147.466 ; 230.219,106.07 230.794,106.07 233.369,107.47 233.369,116.37 230.219,116.37 ; 230.295,121.52 233.445,121.52 233.445,130.42 230.87,131.82 230.295,131.82 ; 230.346,137.166 230.921,137.166 233.496,138.566 233.496,147.466 230.346,147.466 ; 230.498,78.912 233.648,78.912 233.648,70.012 231.073,68.612 ; 235.141,69.179 235.141,79.179 242.491,79.179 ; 238.04,69.063 244.141,69.063 244.141,79.179 243.191,79.179 243.441,79.779 242.241,79.779 242.491,79.179 ; 228.219,104.22 ccw(c228.219,104.27) 228.219,104.32 ; 228.219,104.22 cw(c228.219,104.27) 228.219,104.32 ; 228.219,104.22 ccw(c228.219,104.27) 228.219,104.32 ; 228.295,133.57 cw(c228.295,133.62) 228.295,133.67 ; 228.295,133.57 ccw(c228.295,133.62) 228.295,133.67 ; 228.295,133.57 cw(c228.295,133.62) 228.295,133.67 ; 228.346,135.316 ccw(c228.346,135.366) 228.346,135.416 ; 228.346,135.316 cw(c228.346,135.366) 228.346,135.416 ; 228.346,135.316 ccw(c228.346,135.366) 228.346,135.416 ; 118.148,139.272 118.148,144.232 127.928,144.232 127.928,139.272 118.148,139.272 ; 118.249,104.581 128.029,104.581 128.029,109.541 118.249,109.541 118.249,104.581 ; 118.808,70.794 118.808,75.754 128.588,75.754 128.588,70.794 118.808,70.794 ; 210.291,87.363 215.251,87.363 215.251,97.143 210.291,97.143 210.291,87.363
  lines w0.254: 112.649,141.732 112.649,144.272 114.173,144.272 116.205,144.272 117.729,144.272 117.729,141.732 112.649,141.732 ; 112.841,106.985 112.841,109.525 114.365,109.525 116.397,109.525 117.921,109.525 117.921,106.985 112.841,106.985 ; 113.36,73.177 113.36,75.717 114.884,75.717 116.916,75.717 118.44,75.717 118.44,73.177 113.36,73.177
  text "L1" at 220.916,155.791 h0.76
  text "C6" at 234.404,150.635 h0.76
  text "C6" at 232.829,149.898 h0.76
  text "R87" at 89.319,149.339 h0.76 r90
  text "J4" at 65.011,147.917 h0.76
  text "J8" at 118.743,141.491 h0.76 r270
  text "RP3" at 123.94,138.138 h0.76 r180
  text "C7" at 234.353,134.988 h0.76
  text "C11" at 234.277,119.545 h0.76
  text "R96" at 88.735,114.287 h0.76 r90
  text "J2" at 65.087,113.957 h0.76
  text "RP8" at 122.492,110.63 h0.76
  text "J9" at 118.935,106.743 h0.76 r270
  text "RP5" at 215.303,98.209 h0.76
  text "C12" at 234.556,82.08 h0.76
  text "CR1" at 240.932,81.191 h0.76 r180
  text "J1" at 244.234,80.886 h0.76
  text "R99" at 89.116,80.48 h0.76 r90
  text "RP12" at 124.32,76.822 h0.76
  text "J10" at 119.444,71.666 h0.76 r270
  text "J5" at 62.293,68.465 h0.76 r90

## Text inside footprints (layer, text, board x,y; h text height)
*1: Top Overlay "*" at 154.863,113.041 h1.27 r270; Mechanical 13 "*" at 153.645,111.886 h1.27 r270
*2: Top Overlay "*" at 155.498,79.312 h1.27 r270; Mechanical 13 "*" at 154.28,78.157 h1.27 r270
U1: Top Overlay "*" at 115.36,94.234 h1.27 r180; Mechanical 13 "*" at 113.894,95.453 h1.27 r180
U2: Top Overlay "*" at 115.411,128.067 h1.27 r180; Mechanical 13 "*" at 113.944,129.286 h1.27 r180
U5: Top Overlay "*" at 115.214,60.223 h1.27 r180; Mechanical 13 "*" at 113.748,61.443 h1.27 r180